# Altium PCB Mainboard.PcbDoc (part 1 of 4)
Units mm, origin at the board's own origin, x right, y up, seen from the top; angles counter-clockwise.
Board outline 90 x 160 mm, 2 copper layers (L1_Top, L14_Bot), stack 1.67 mm thick; 362 components, 198 nets, 989 pads, 814 vias.
Unrouted connection lines stored in the file: 3.
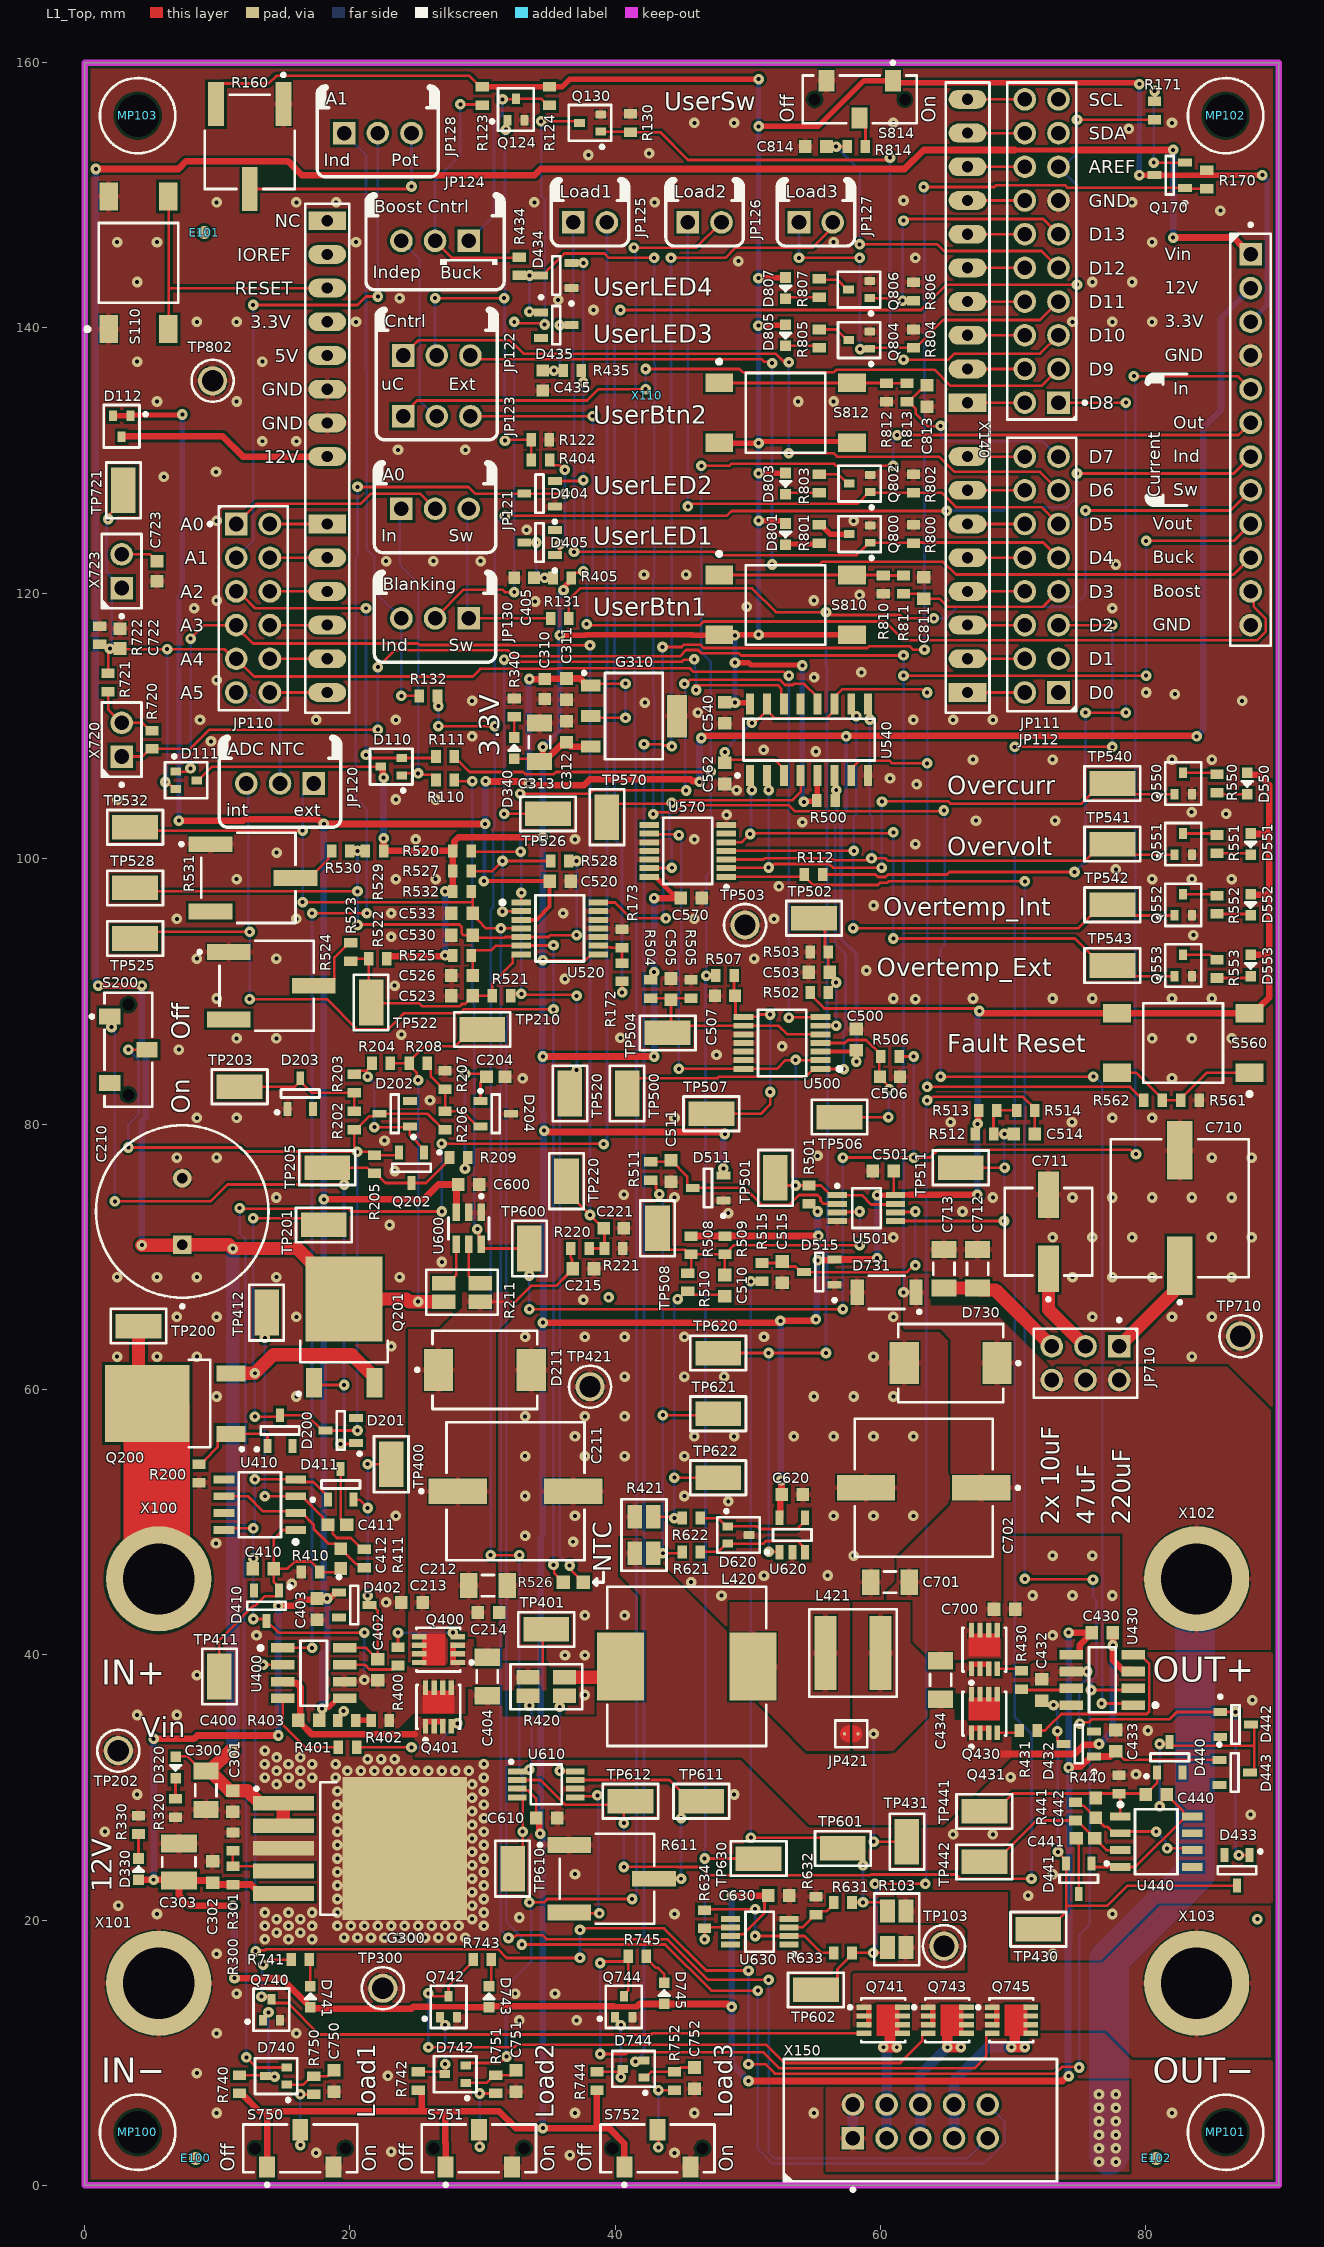
[diagram p0: L1_Top view]
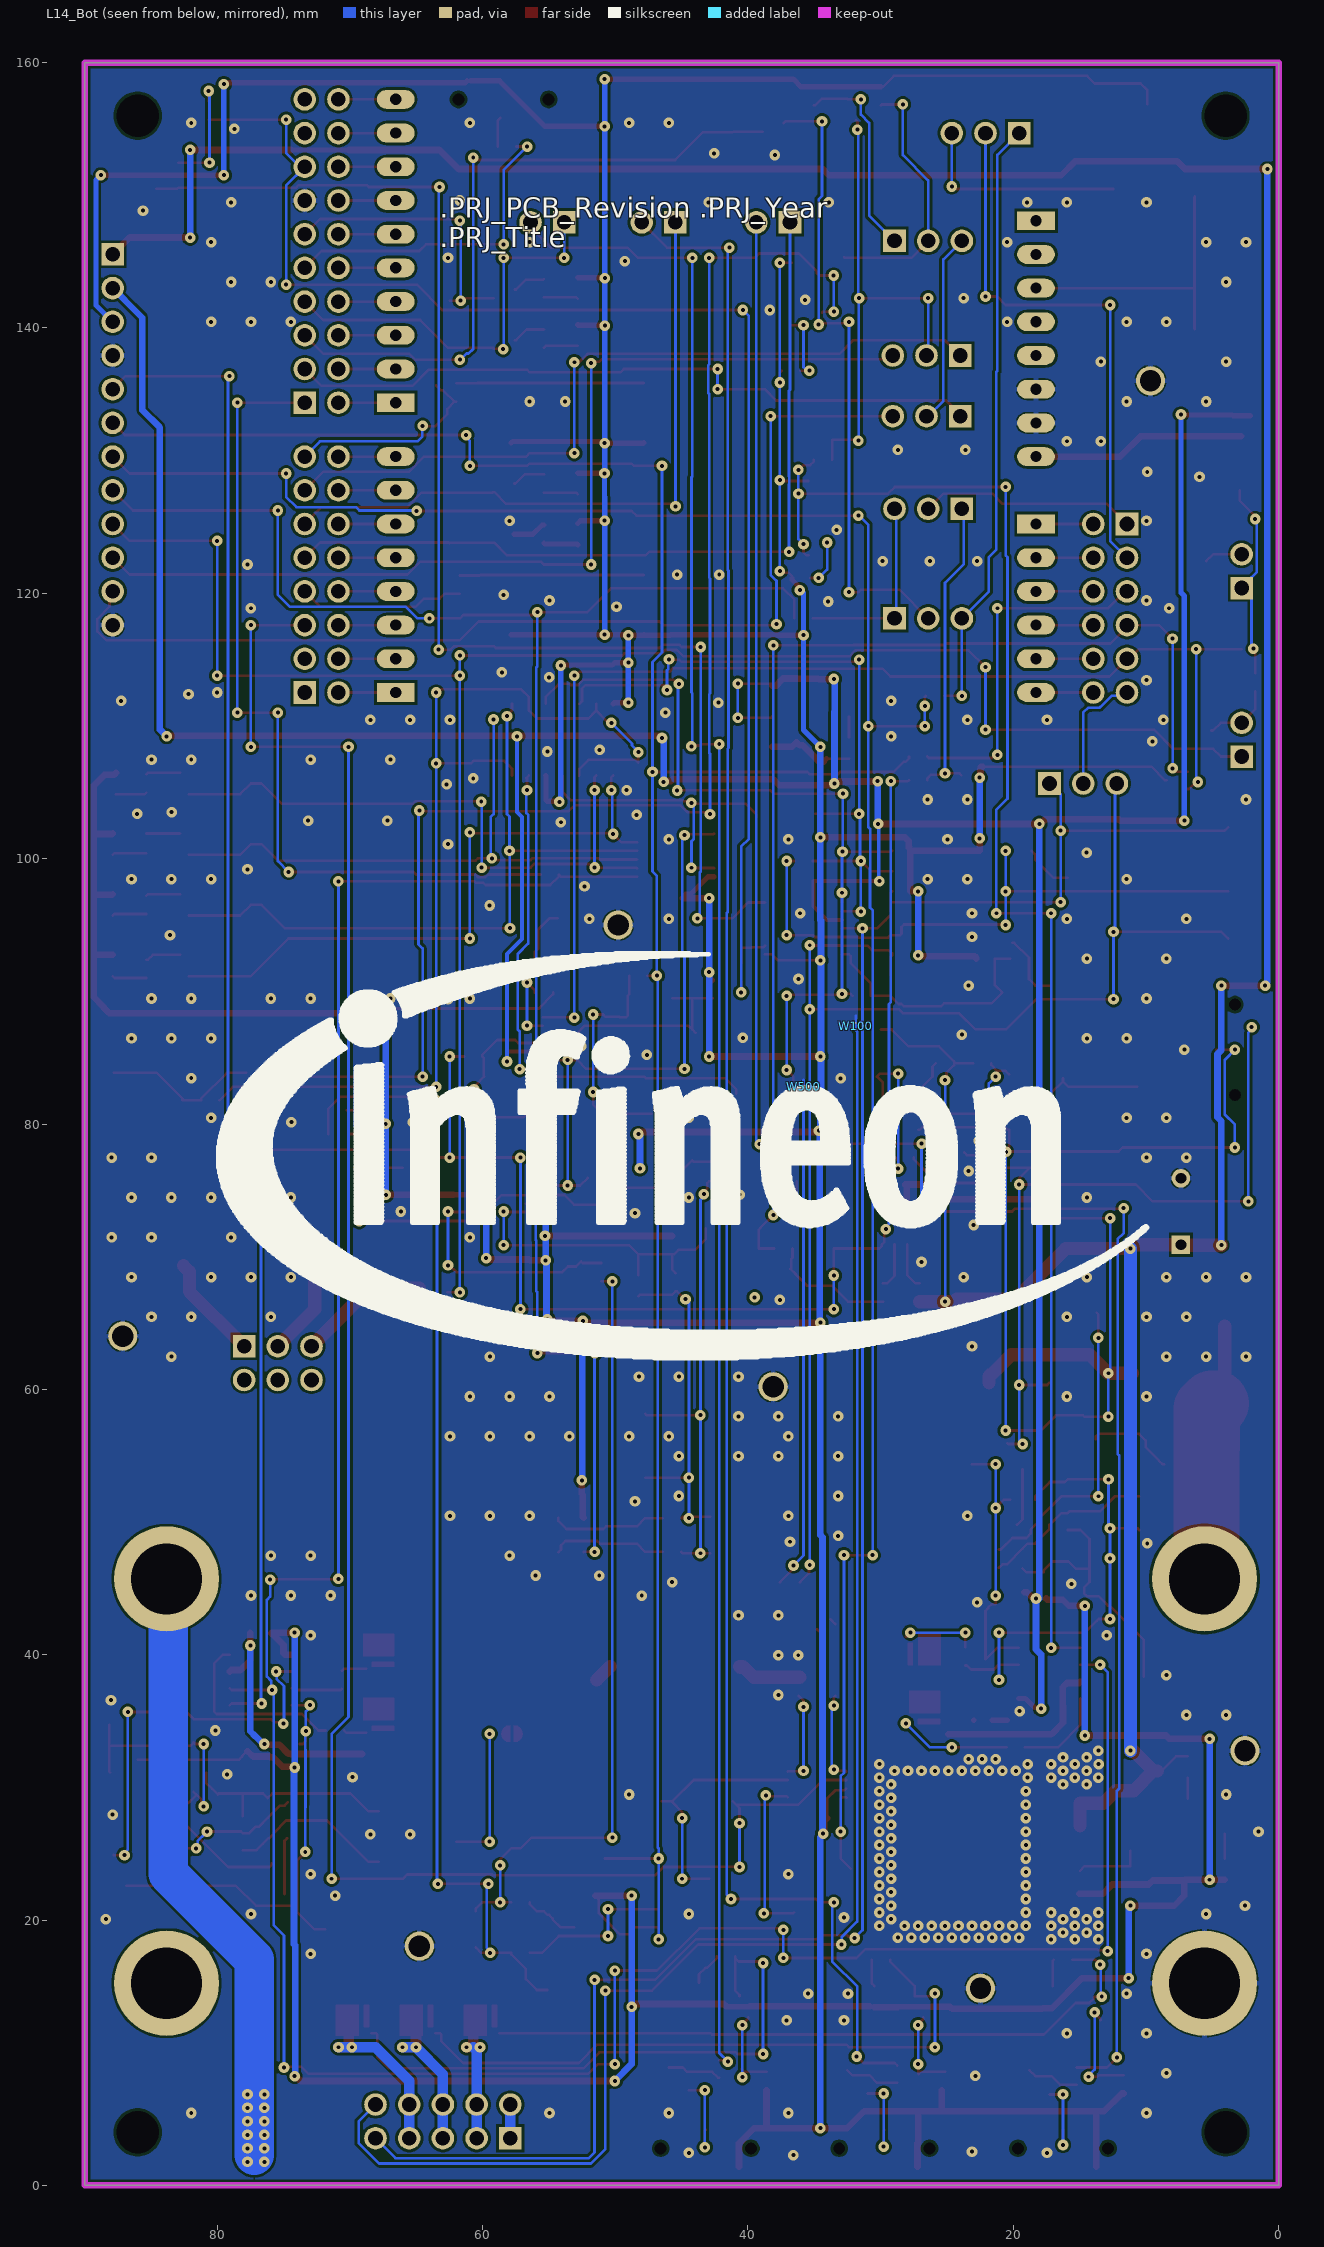
[diagram p1: L14_Bot view, seen from below]

## Layer stack, top to bottom
Top Solder: solder mask 0.02, Solder Resist, Dk 3.5
L1_Top: signal copper 0.035
Dielectric: prepreg 1.6, FR-4, Dk 4.3
L14_Bot: signal copper 0.035
Bottom Solder: solder mask 0.02, Solder Resist, Dk 3.5

## Board outline
0,0 90,0 90,160 0,160

## Design rules (kind name [scope] priority, off if disabled: settings)
Clearance Clearance_Fiducials [InComponentClass('Fiducials')] p1 off: gap=1 ignorepadtopadclearanceinfootprint=FALSE except(0: Arc-Hole Track-Hole SMDPad-Hole THPad-Hole Via-Hole Fill-Hole Poly-Hole Region-Hole Text-Hole)
Clearance Clearance_Edge_Fiducials [InComponentClass('Fiducials')] p2 off: gap=6 ignorepadtopadclearanceinfootprint=FALSE except(0: Arc-Hole Track-Hole SMDPad-Hole THPad-Hole Via-Hole Fill-Hole Poly-Hole Region-Hole Text-Hole) // Protel DXP Scope 2 Expression Was: IsBoardOutline
Clearance Clearance_All [All] p3: gap=0.2 ignorepadtopadclearanceinfootprint=FALSE // minimum Clearance on PCB
ComponentClearance ComponentClearance_All [All] p1: gap=0.2 collisioncheckmode=3 verticalgap=1 showdistances=FALSE
DiffPairsRouting DiffPairsRouting_Z0_DIFF_100R [InNetClass('Z0_DIFF_100R')] p1: maxlimit=0.2 minlimit=0.2 mostfreqgap=0.2 toplayer_minwidth=0.381 toplayer_maxwidth=0.381 toplayer_prefwidth=0.381 bottomlayer_minwidth=0.381 bottomlayer_maxwidth=0.381 bottomlayer_prefwidth=0.381 maxuncoupledlength=25
DiffPairsRouting DiffPairsRouting_All [All] p2: maxlimit=0.5 minlimit=0.12 mostfreqgap=0.15 toplayer_minwidth=0.381 toplayer_maxwidth=0.381 toplayer_prefwidth=0.381 bottomlayer_minwidth=0.381 bottomlayer_maxwidth=0.381 bottomlayer_prefwidth=0.381 maxuncoupledlength=25
FabricationTestPointUsage TestPointUsage [All] p1: valid=0 allowmultiple=FALSE
FabricationTestpoint Testpoint [All] p1: side=3 testpointundercomponent=TRUE minsize=1 maxsize=2.5 preferedsize=1.5 minholesize=0 maxholesize=1 preferedholesize=0.8 testpointgrid=0.025 allowsidetop=TRUE allowsidebottom=TRUE usegrid=TRUE gridtolerance=0
FanoutControl Fanout_LCC [All] p1 off: bgadir=Out bgaviamode=Centered fanoutstyle=Auto fanoutdirection=Alternating viagrid=0.025 // Protel DXP Scope 1 Expression Was: IsLCC   Fanout_LCC (Default Rule)
FanoutControl Fanout_BGA [All] p2 off: bgadir=Out bgaviamode=Centered fanoutstyle=Auto fanoutdirection=Alternating viagrid=0.025 // Protel DXP Scope 1 Expression Was: IsBGA   Fanout_BGA (Default Rule)
FanoutControl Fanout_SOIC [All] p3 off: bgadir=Out bgaviamode=Centered fanoutstyle=Auto fanoutdirection=Alternating viagrid=0.025 // Protel DXP Scope 1 Expression Was: IsSOIC   Fanout_SOIC (Default Rule)
FanoutControl Fanout_Default [All] p4: bgadir=Out bgaviamode=Centered fanoutstyle=Auto fanoutdirection=Alternating viagrid=0.025 // Fanout_Default (Default Rule)
FanoutControl Fanout_Small [All] p5 off: bgadir=Out bgaviamode=Centered fanoutstyle=Auto fanoutdirection=Alternating viagrid=0.025 // Protel DXP Scope 1 Expression Was: (CompPinCount < 5)   Fanout_Small (Default Rule)
Height Height_Top_In_Area [WithinRoom('Height_Top_Area')] p1: minheight=0 maxheight=8.4 prefheight=5.7 // Dedicated Height Constraint in Area
Height Height_Bot_No_Constraint [InComponentClass('Height_Bottom_exclude')] p2: minheight=0 maxheight=999 prefheight=12.7 // no max. Height constraint on Bottom Side
Height Height_Top_No_Constraint [InComponentClass('Height_Top_exclude')] p3: minheight=0 maxheight=999 prefheight=12.7 // no max. Height constraint on Top Side
Height Height_Bot [OnBottom] p4: minheight=0 maxheight=3 prefheight=2.5 // max. Component Height on PCB Bottom Side
Height Height_All [All] p5: minheight=0 maxheight=50 prefheight=12.7 // Default Component Height
HoleSize HoleSize_All [All] p1: absolutevalues=TRUE maxlimit=6.3 minlimit=0.3 maxpercent=80.000 minpercent=20.000
HoleToHoleClearance [All] p1: gap=0.25 allowstackedmicrovias=TRUE
Length Length_HighSpeed [InNetClass('HighSpeed')] p1: maxlimit=250 minlimit=0
Length Length_Default [InNetClass('TraceLength')] p2: maxlimit=500 minlimit=0 // min./max. Trace Length will be applied
MatchedLengths MatchedLengths_HighSpeed [InNetClass('HighSpeed')] p1: tolerance=25.4 checknetsindiffpair=FALSE checkdiffpairvsdiffpair=TRUE checkxsignals=TRUE checkothers=TRUE
MatchedLengths MatchedLengths_Default [InNetClass('MatchedLength')] p2: tolerance=100.5 checknetsindiffpair=TRUE checkdiffpairvsdiffpair=FALSE checkxsignals=FALSE checkothers=FALSE // Default Length Matching
MaxMinImpedance MaxMinImpedance_Z0_50R [InNetClass('Z0_50R')] p1: minimum=45,00 maximum=55,00 // Impedance Tolerance for 50 Ohms Traces
MaxMinImpedance MaxMinImpedance_All [All] p2: minimum=30,00 maximum=80,00 // Default Impedance Tolerance
MaximumViaCount MaximumViaCount_CLK [InNetClass('Clock')] p1: limit=10
MaximumViaCount MaximumViaCount_HighSpeed [InNetClass('HighSpeed')] p2: limit=10 // Max. Number of Vias in Net
MinimumAnnularRing MinimumAnnularRing_All [All] p1: minimumring=0.25
MinimumSolderMaskSliver [All] p1: minsoldermaskwidth=0.2
NetAntennae NetAntennae_High_Speed [InNetClass('HighSpeed')] p1: netantennaetolerance=3
NetAntennae NetAntennae_All [not InNet('<IGNORE DRC>')] p2: netantennaetolerance=10
ParallelSegment ParallelSegment_Broad_Default [InNetClass('XTalk_Broadside_Coupled') vs InNetClass('HighSpeed') Or InNetClass('XTalk_Broadside_Coupled') Or InNetClass('XTalk_Edge_Coupled')] p1: limit=15 gap=0.2 // Default Rule for Broadside-Coupled Traces
ParallelSegment ParallelSegment_Edge_Default [InNetClass('XTalk_Edge_Coupled') vs InNetClass('HighSpeed') Or InNetClass('XTalk_Broadside_Coupled') Or InNetClass('XTalk_Edge_Coupled')] p2: limit=15 gap=0.12 // Default Rule for Edge-Coupled Traces
ParallelSegment ParallelSegment_Default [InNetClass('HighSpeed') vs InNetClass('HighSpeed')] p3: limit=25 gap=0.12 // Max. Coupled Length for all High-Speed Signals
PlaneClearance PlaneClearance_HighVoltage [InNetClass('HighVoltage')] p1: clearance=0.5
PlaneClearance [All] p2: clearance=0.2
PlaneConnect PlaneConnect_All [All] p1: planeconnectstyle=Direct reliefexpansion=0.2 reliefentries=4 reliefconductorwidth=0.25 reliefairgap=0.2
PolygonConnect [HasFootprint('TO170P1500X450-6N-V')] p1: connectstyle=Direct reliefconductorwidth=0.254 reliefentries=4 polygonreliefangle="90 Angle" airgapwidth=0.254
PolygonConnect PolygonConnectVia [IsVia] p2: connectstyle=Direct reliefconductorwidth=0.254 reliefentries=4 polygonreliefangle="90 Angle" airgapwidth=0.254
PolygonConnect PolygonConnect_All [All] p3: connectstyle=Relief reliefconductorwidth=0.4 reliefentries=4 polygonreliefangle="90 Angle" airgapwidth=0.1 // Default Polygon Connection
RoutingCorners [All] p1: cornerstyle=45-Degree minsetback=2 maxsetback=2
RoutingTopology RoutingTopology_CLK [InNetClass('Clock')] p1: topology=Daisy_Balanced
RoutingTopology RoutingTopology_HighSpeed [InNetClass('HighSpeed')] p2: topology=Daisy_Simple
RoutingTopology RoutingTopology_All [All] p3: topology=Shortest
RoutingVias RoutingVias_HighCurrent [InNetClass('HighCurrent')] p1: holewidth=0.3 width=0.9 viastyle="Through Hole" minholewidth=0.3 minwidth=0.9 maxholewidth=0.4 maxwidth=0.9 // Via Size for High-Current Nets
RoutingVias RoutingVias_BGA_Fanout [WithinRoom('BGA_Fanout_Area')] p2: holewidth=0.2 width=0.48 viastyle="Through Hole" minholewidth=0.2 minwidth=0.48 maxholewidth=0.3 maxwidth=0.8 // Via Size for BGA Fanout Area
RoutingVias RoutingVias_PWR [All] p3: holewidth=0.3 width=0.8 viastyle="Through Hole" minholewidth=0.25 minwidth=0.8 maxholewidth=0.3 maxwidth=0.9 // Via size for Power and GND nets
RoutingVias RoutingVias_All [All] p4: holewidth=0.3 width=0.8 viastyle="Through Hole" minholewidth=0.3 minwidth=0.8 maxholewidth=0.3 maxwidth=0.8 // Default Via size
SilkToSilkClearance [All] p1: silktosilkclearance=0.15
SilkToSolderMaskClearance SilkscreenOverComponentPads [IsPad] p1: minsilkscreentomaskgap=0.2 clearancetoexposedcopper=TRUE
SolderMaskExpansion [All] p1: expansion=0.1 istentingtop=TRUE
StubLength StubLength_CLK [InNetClass('Clock')] p1: limit=25
StubLength StubLength_HighSpeed [InNetClass('HighSpeed')] p2: limit=30
SupplyNets SupplyNets_GND [InNet('GND')] p1: voltage=0,000
SupplyNets SupplyNets_12V [InNetClass('PWR_Supply_12V')] p2: voltage=12,00
SupplyNets SupplyNets_5V0 [InNetClass('PWR_Supply_5V0')] p3: voltage=5,000
SupplyNets SupplyNets_3V3 [InNetClass('PWR_Supply_3V3')] p4: voltage=3,000
SupplyNets SupplyNets_1V0 [InNetClass('PWR_Supply_1V0')] p5: voltage=1,000
UnRoutedNet [not InNet('<IGNORE DRC>')] p1:
Width Width_HighCurrent [All] p1 off: maxlimit=5 minlimit=0.3 preferedwidth=0.3 // Width for High-Current Traces
Width Width_BGA_Fanout [WithinRoom('BGA_Fanout_Area')] p2 off: maxlimit=1 minlimit=0.1 preferedwidth=0.1 // Trace Width for BGA Fanout Area
Width Width_Z0_DIFF_100R [InNetClass('Z0_DIFF_100R')] p3 off: maxlimit=0.12 minlimit=0.12 preferedwidth=0.12 minimp=50.000000 maximp=50.000000 favimp=50.000000
Width Width_Z0_50R [InNetClass('Z0_50R')] p4 off: maxlimit=0.16 minlimit=0.16 preferedwidth=0.16 minimp=50.000000 maximp=50.000000 favimp=50.000000
Width Width_PWR [InNetClass('Power')] p5 off: maxlimit=5 minlimit=0.2 preferedwidth=0.2 // Width for Power and GND nets
Width Width_All [not InNet('<IGNORE DRC>')] p6: maxlimit=10 minlimit=0.2 preferedwidth=0.2 minimp=50.000000 maximp=50.000000 favimp=50.000000 // minimum Width on PCB
9 further rules are at their usual default settings.

## Classes and differential pairs
component class U_User: C811 C813 C814 D801 D803 D805 D807 Q800 Q802 Q804 Q806 R800 R801 R802 R803 R804 R805 R806 R807 R810 R811 R812 R813 R814 S810 S812 S814 TP802
component class U_Safety: C500 C501 C503 C505 C506 C507 C510 C511 C514 C515 C520 C523 C526 C530 C533 C540 C562 C570 D511 D515 D550 D551 D552 D553 Q550 Q551 Q552 Q553 R500 R501 R502 R503 R504 R505 R506 R507 R508 R509 R510 R511 R512 R513 R514 R515 R520 R521 R522 R523 R524 R525 R526 R527 R528 R529 R530 R531 R532 R550 R551 R552 R553 R561 R562 S560 TP500 TP501 TP502 TP503 TP504 TP506 TP507 TP508 TP511 TP520 TP522 TP525 TP526 TP528 TP532 TP540 TP541 TP542 TP543 TP570 U500 U501 U520 U540 U570 W500
component class U_PowerSupply: C300 C301 C302 C303 C310 C311 C312 C313 D320 D330 D340 G300 G310 R300 R301 R320 R330 R340 TP300
component class U_PowerStage: C400 C402 C403 C404 C405 C410 C411 C412 C430 C431 C432 C433 C434 C435 C440 C441 C442 D402 D404 D405 D410 D411 D432 D433 D434 D435 D440 D441 D442 D443 JP421 L420 L421 Q400 Q401 Q430 Q431 R400 R401 R402 R403 R404 R405 R410 R411 R420 R421 R430 R431 R434 R435 R440 R441 TP400 TP401 TP410 TP411 TP412 TP421 TP430 TP431 TP440 TP441 TP442 U400 U410 U430 U440
component class U_Output: C700 C701 C702 C710 C711 C712 C713 C722 C723 C750 C751 C752 D730 D731 D740 D741 D742 D743 D744 D745 JP710 Q740 Q741 Q742 Q743 Q744 Q745 R720 R721 R722 R740 R741 R742 R743 R744 R745 R750 R751 R752 S750 S751 S752 TP710 TP721 X720 X723
component class U_Input: C204 C210 C211 C212 C213 C214 C215 C221 D200 D201 D202 D203 D204 D211 Q200 Q201 Q202 R200 R202 R203 R204 R205 R206 R207 R208 R209 R211 R220 R221 S200 TP200 TP201 TP202 TP203 TP205 TP210 TP220
component class U_CurrentSensors: C600 C610 C620 C630 D620 R611 R621 R622 R631 R632 R633 R634 TP600 TP601 TP602 TP610 TP611 TP612 TP620 TP621 TP622 TP630 U600 U610 U620 U630
component class "02 Top Level": D110 D111 D112 E100 E101 E102 JP110 JP111 JP112 JP120 JP121 JP122 JP123 JP124 JP125 JP126 JP127 JP128 JP130 MP100 MP101 MP102 MP103 Q124 Q130 Q170 R103 R110 R111 R112 R122 R123 R124 R130 R131 R132 R160 R170 R171 R172 R173 S110 TP103 W100 X100 X101 X102 X103 X110 X140 X150

## Components (designator, comment, footprint, x,y, rotation, side; value= is the part's Value field where it differs from the comment)
C204 "10nF" CAPC1608X90N-4 30.988,83.566 r180 top
C210 "1mF" CAPPRD500W60D1300H2700B 7.366,73.406 r90 top
C211 "220uF" CAPAE1030X1050N-2 32.48,52.324 r0 top
C212 "10uF" CAPC3216X190N-1 30.406,45.212 r180 top
C213 "100nF" CAPC1608X90N-2 24.676,43.942 r0 top
C214 "100nF" CAPC1608X90N-2 30.442,43.18 r180 top
C215 "100nF" CAPC1608X90N-2 37.592,69.088 r180 top
C221 "1nF" CAPC1608X87N-1 39.878,72.136 r180 top
C300 "10uF" CAPC3216X190N-1 9.144,29.792 r90 top
C301 "100nF" CAPC1608X90N-2 11.176,28.956 r90 top
C302 "100nF" CAPC1608X90N-2 9.652,23.622 r270 top
C303 "22uF" CAPC3225X270N-0 7.112,24.384 r270 top
C310 "2.2uF" CAPC1608X90N-3 34.671,112.776 r90 top
C311 "100nF" CAPC1608X90N-2 36.322,112.776 r90 top
C312 "100nF" CAPC1608X90N-2 36.322,109.563 r270 top
C313 "10uF" CAPC3216X190N-1 34.29,108.765 r270 top
C400 "100nF" CAPC1608X90N-2 16.891,35.052 r0 top
C402 "100nF" CAPC1608X90N-2 22.098,38.862 r90 top
C403 "100nF" CAPC1608X90N-2 17.526,43.434 r90 top
C404 "10uF" CAPC3216X190N-1 30.353,38.354 r90 top
C405 "2.2uF" CAPC1608X90N-3 33.135,121.158 r0 top
C410 "100nF" CAPC1608X90N-2 13.462,46.482 r180 top
C411 "10nF" CAPC1608X90N-4 19.05,49.784 r180 top
C412 "1nF" CAPC1608X87N-1 19.304,47.244 r90 top
C430 "100nF" CAPC1608X90N-2 76.708,41.656 r180 top
C432 "100nF" CAPC1608X90N-2 72.136,37.338 r270 top
C433 "100nF" CAPC1608X90N-2 77.724,33.528 r270 top
C434 "10uF" CAPC3216X190N-1 64.516,38.1 r90 top
C435 "2.2uF" CAPC1608X90N-3 34.544,136.029 r90 top
C440 "100nF" CAPC1608X90N-2 80.772,29.464 r0 top
C441 "10nF" CAPC1608X90N-4 75.438,26.162 r180 top
C442 "1nF" CAPC1608X87N-1 76.2,28.448 r270 top
C500 "100nF" CAPC1608X90N-2 58.166,86.36 r90 top
C501 "100nF" CAPC1608X90N-2 60.198,76.454 r180 top
C503 "100nF" CAPC1608X90N-2 55.372,91.44 r0 top
C505 "100nF" CAPC1608X90N-2 44.196,90.17 r270 top
C506 "2.2uF" CAPC1608X90N-3 60.706,83.566 r180 top
C507 "2.2uF" CAPC1608X90N-3 48.26,89.662 r0 top
C510 "100nF" CAPC1608X90N-2 48.26,67.818 r90 top
C511 "22pF" CAPC1608X90N-2 44.196,76.454 r90 top
C514 "100nF" CAPC1608X90N-2 70.828,79.248 r180 top
C515 "22pF" CAPC1608X90N-2 52.578,68.834 r90 top
C520 "100nF" CAPC1608X90N-2 35.852,98.298 r0 top
C523 "100nF" CAPC1608X90N-2 28.448,89.662 r0 top
C526 "100nF" CAPC1608X90N-2 28.448,91.186 r0 top
C530 "100nF" CAPC1608X90N-2 28.448,94.234 r0 top
C533 "100nF" CAPC1608X90N-2 28.448,95.885 r0 top
C540 "100nF" CAPC1608X90N-2 48.26,110.998 r90 top
C562 "100nF" CAPC1608X90N-2 48.26,106.426 r270 top
C570 "100nF" CAPC1608X90N-2 45.72,97.028 r0 top
C600 "100nF" CAPC1608X90N-2 28.956,75.438 r180 top
C610 "100nF" CAPC1608X90N-2 34.836,27.686 r180 top
C620 "100nF" CAPC1608X90N-2 53.34,52.07 r180 top
C630 "100nF" CAPC1608X90N-2 52.324,21.844 r180 top
C700 "100nF" CAPC1608X90N-2 69.342,43.434 r180 top
C701 "10uF" CAPC3216X190N-1 60.706,45.466 r0 top
C702 "220uF" CAPAE1030X1050N-2 63.246,52.578 r180 top
C710 "220uF" CAPAE1030X1050N-2 82.55,73.66 r90 top
C711 "47uF" CAPAE660X770N 72.644,71.882 r90 top
C712 "10uF" CAPC3216X190N-1 67.31,69.088 r270 top
C713 "10uF" CAPC3216X190N-1 64.77,69.088 r270 top
C722 "1nF" CAPC1608X87N-1 2.667,116.586 r270 top
C723 "1nF" CAPC1608X87N-1 5.461,121.666 r90 top
C750 "100nF" CAPC1608X90N-2 18.796,7.874 r90 top
C751 "100nF" CAPC1608X90N-2 32.512,7.874 r90 top
C752 "100nF" CAPC1608X90N-2 45.974,8.09 r90 top
C811 "100nF" CAPC1608X90N-2 63.246,120.396 r270 top
C813 "100nF" CAPC1608X90N-2 63.5,134.874 r90 top
C814 "100nF" CAPC1608X90N-2 55.118,153.67 r0 top
D110 "BAT54-05W" SOT65P210X100-3N-1-V 23.114,106.934 r180 top
D111 "BAT54-05W" SOT65P210X100-3N-1-V 7.658,105.903 r0 top
D112 "BAT54-05W" SOT65P210X100-3N-1-V 2.794,132.588 r270 top
D200 "12V" SOT95P237X111-3N-1 14.732,56.896 r90 top
D201 "12V" SOT95P237X111-3N-1 19.304,56.896 r180 top
D202 "12V" SOT95P237X111-3N-1 23.368,80.772 r180 top
D203 "20V" SOT95P237X111-3N-1 16.256,82.296 r90 top
D204 "ATL431AQDBZR" SOT95P237X112-3N-1 30.988,80.772 r0 top
D211 "SMDJ20A" DIOM7959X262N 30.17,61.468 r0 top
D320 "Red" LEDSC160X80X80-2N-1 6.858,31.496 r90 top
D330 "Red" LEDSC160X80X80-2N-1 4.064,23.838 r270 top
D340 "Red" LEDSC160X80X80-2N-1 32.385,108.331 r270 top
D402 "BAS70-04" SOT95P240X110-3N-1 20.327,43.749 r0 top
D404 "BAS70-04" SOT95P240X110-3N-1 34.29,127.508 r180 top
D405 "BAS70-04" SOT95P240X110-3N-1 34.29,123.825 r180 top
D410 "15V" SOT95P237X111-3N-1 13.716,43.688 r270 top
D411 "BAS70-04" SOT95P240X110-3N-1 19.304,52.832 r90 top
D432 "BAS70-04" SOT95P240X110-3N-1 74.93,33.274 r180 top
D433 "15V" SOT95P237X111-3N-1 86.868,23.749 r270 top
D434 "BAS70-04" SOT95P240X110-3N-1 35.553,143.952 r180 top
D435 "BAS70-04" SOT95P240X110-3N-1 35.553,140.208 r0 top
D440 "15V" SOT95P237X111-3N-1 81.788,32.258 r90 top
D441 "BAS70-04" SOT95P240X110-3N-1 74.93,23.114 r270 top
D442 "BAS70-04" SOT95P240X110-3N-1 86.748,34.732 r0 top
D443 "BAS70-04" SOT95P240X110-3N-1 86.675,31.122 r0 top
D511 "BAS70-04" SOT95P240X110-3N-1 46.99,75.184 r180 top
D515 "BAS70-04" SOT95P240X110-3N-1 55.372,68.834 r180 top
D550 "Red" LEDSC160X80X80-2N-1 87.63,105.664 r90 top
D551 "Red" LEDSC160X80X80-2N-1 87.884,101.092 r90 top
D552 "Red" LEDSC160X80X80-2N-1 87.884,96.52 r90 top
D553 "Red" LEDSC160X80X80-2N-1 87.884,91.948 r90 top
D620 "BAT54-06W" SOT65P210X100-3N-1-V 49.276,49.022 r0 top
D730 "SMC5K40A-M3/I" DIOM7959X262N 65.278,61.976 r180 top
D731 "PMEG6030ETPX" SODFL4725X110N 60.452,67.31 r180 top
D740 "BAT54-06W" SOT65P210X100-3N-1-V 14.44,8.24 r180 top
D741 "Red" LEDSC160X80X80-2N-1 17.018,14.224 r270 top
D742 "BAT54-06W" SOT65P210X100-3N-1-V 27.94,8.382 r180 top
D743 "Red" LEDSC160X80X80-2N-1 30.48,14.224 r270 top
D744 "BAT54-06W" SOT65P210X100-3N-1-V 41.364,8.778 r180 top
D745 "Red" LEDSC160X80X80-2N-1 43.688,14.478 r270 top
D801 "Red" LEDSC160X80X80-2N-1 52.832,124.46 r90 top
D803 "Red" LEDSC160X80X80-2N-1 52.832,128.27 r90 top